# KiCad board bottom-rounded.kicad_pcb
title: Bottom Plate; date: 2024-06-13; rev: 1.2.0; company: Zhou Yikun & Zachary Ang; note: RoboCup Junior Soccer Open 2024
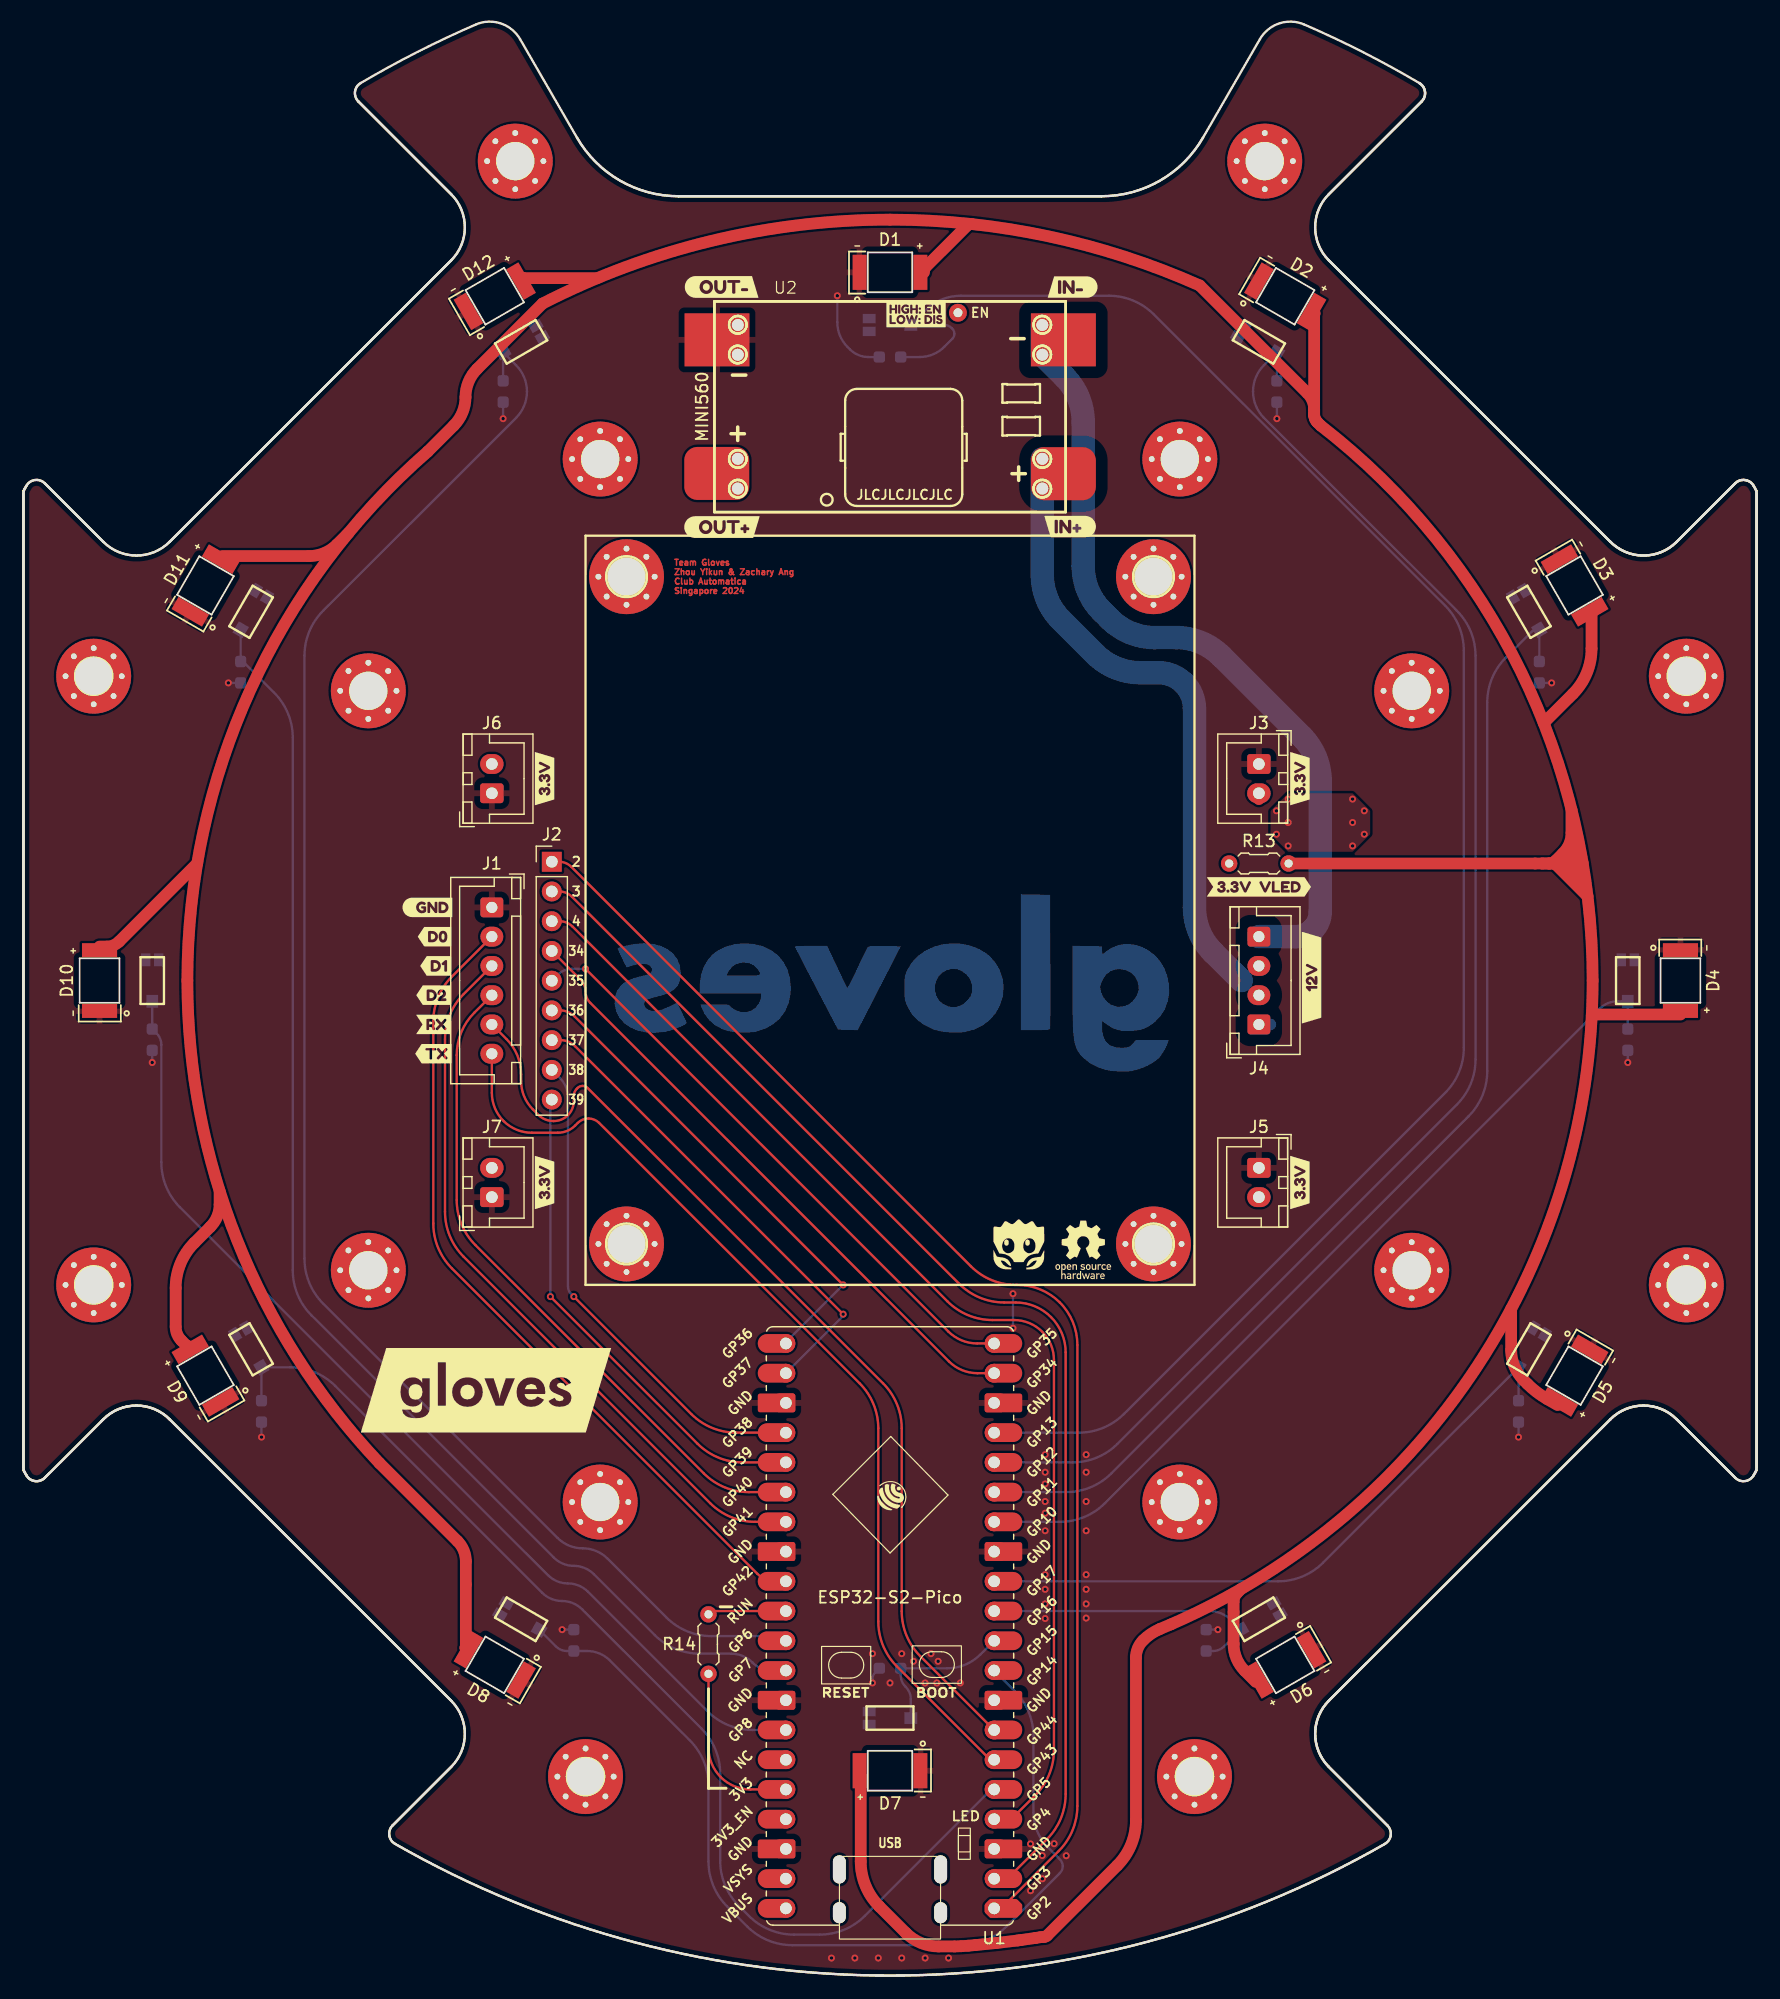
[diagram p0: board, top side]
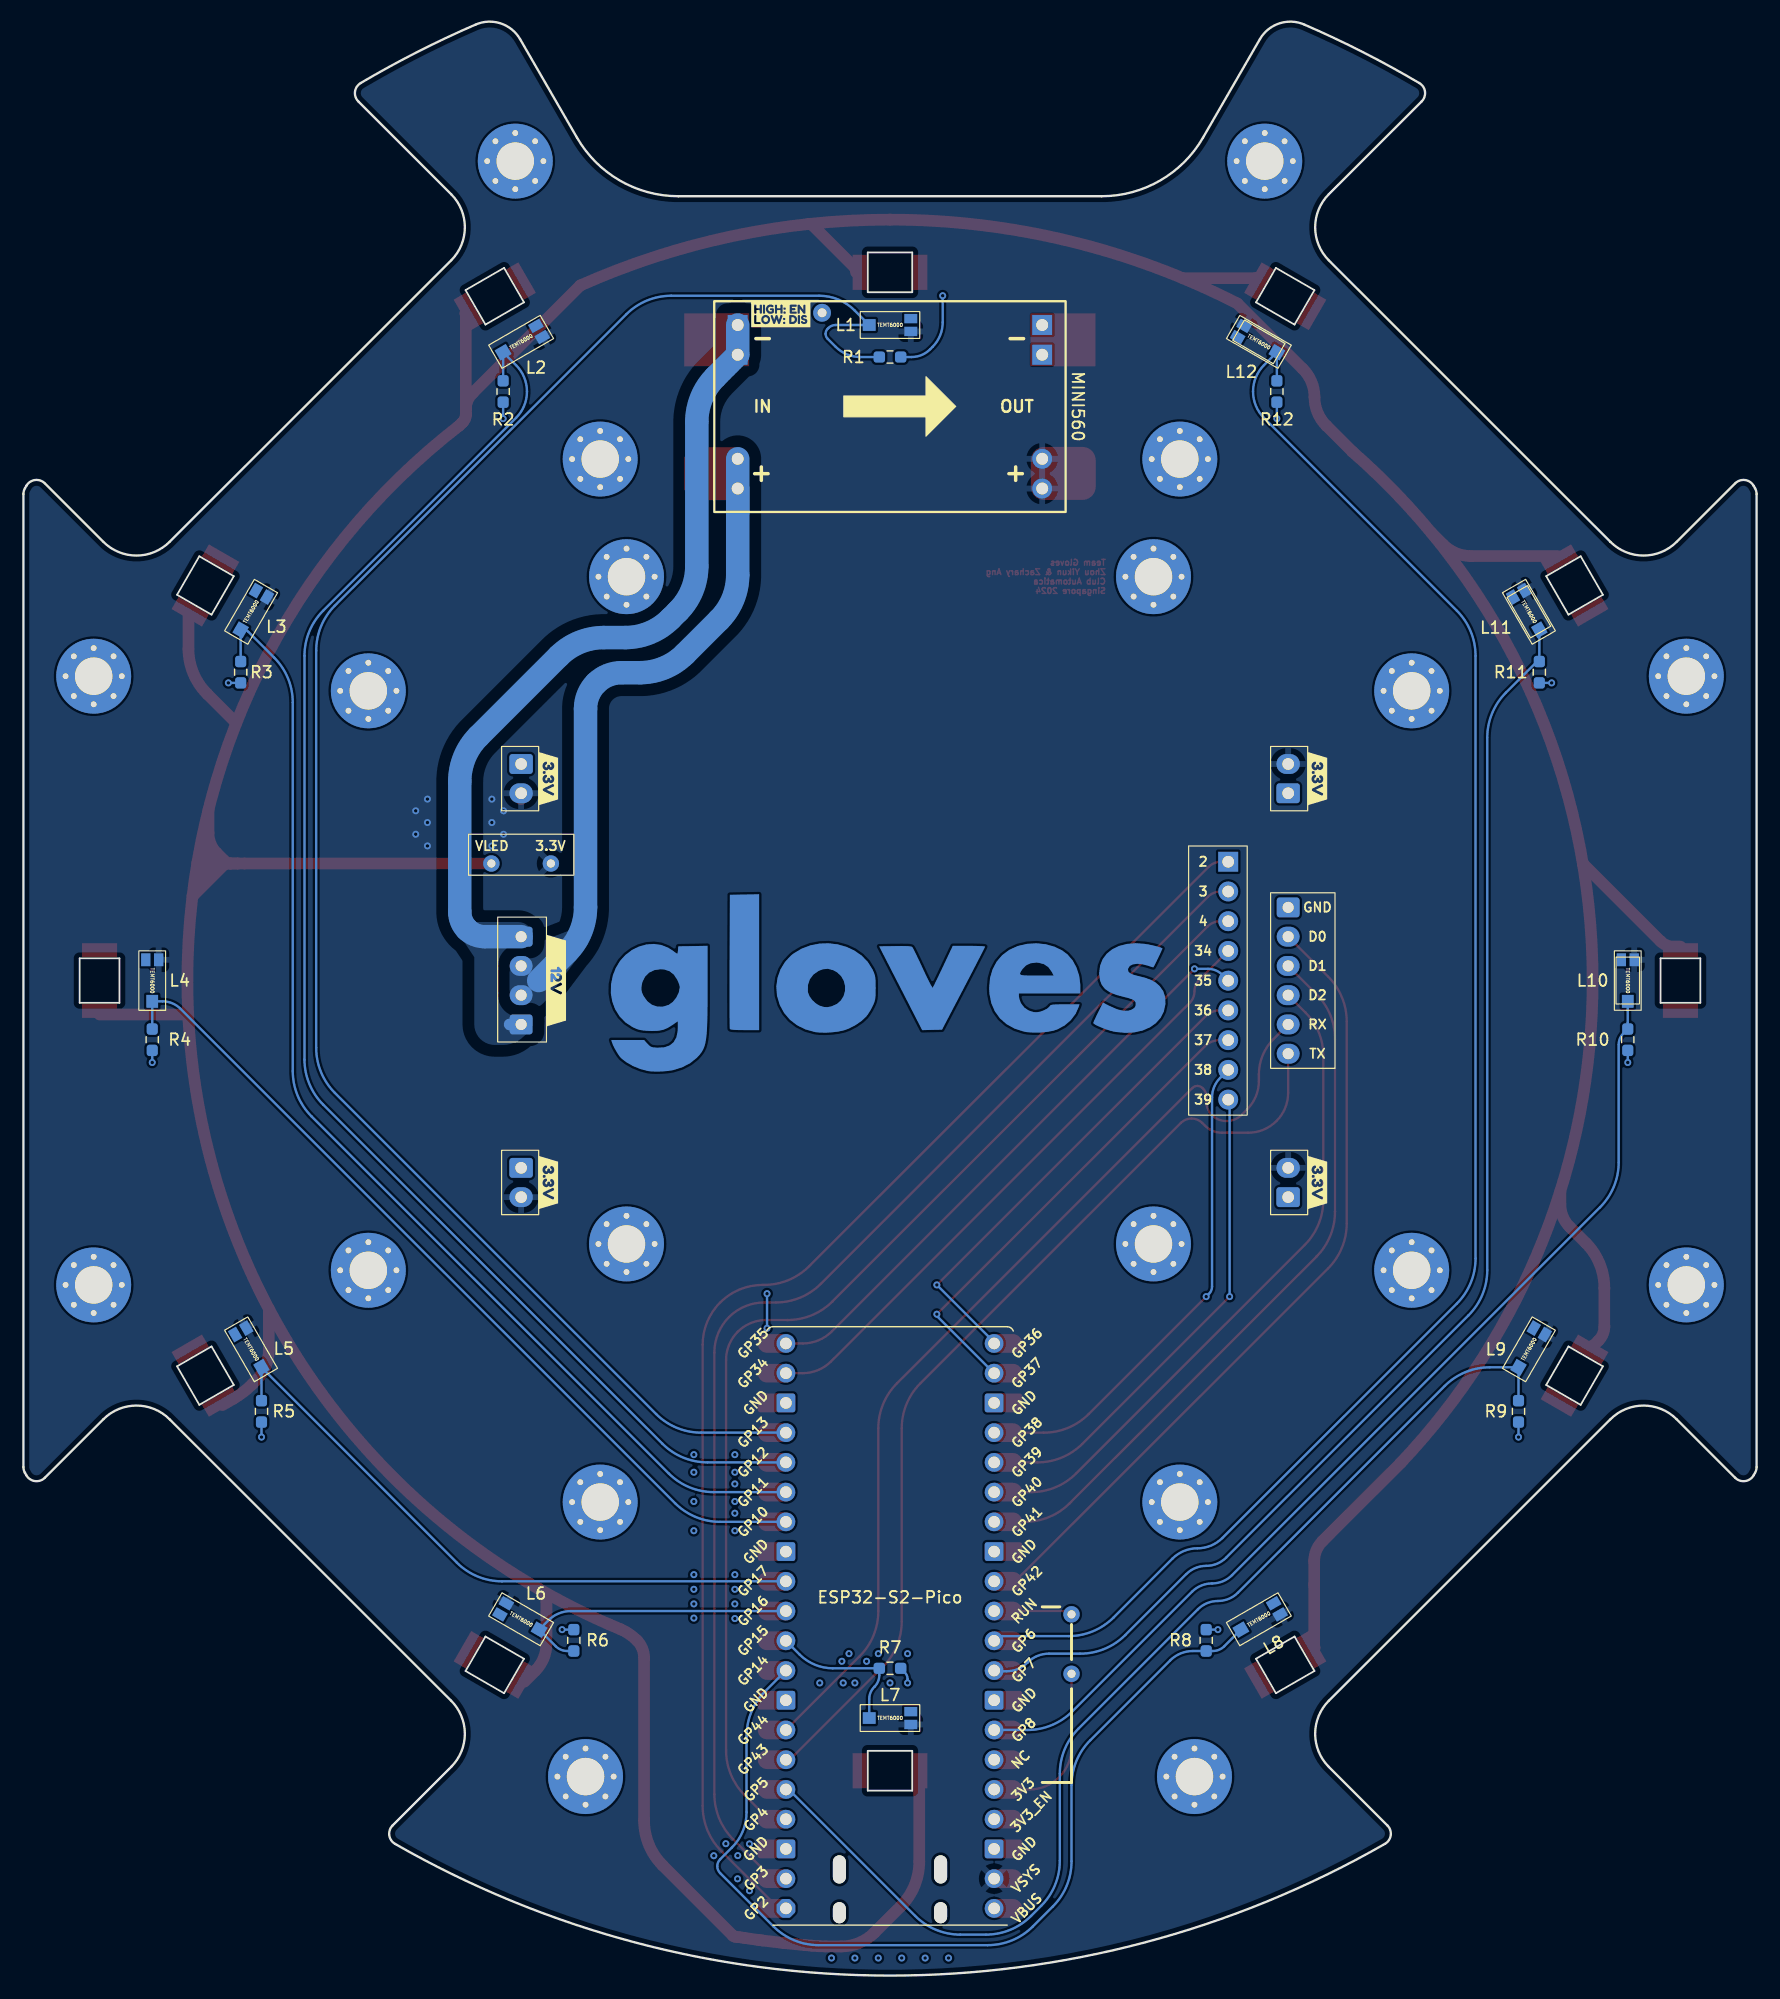
[diagram p1: board, bottom side, seen from below]

Outline 148 x 166.91 mm; copper layers: Top, Bottom. Coordinates in mm from the lower left corner of the outline.
Outline path: 0,126.56 0,43.44 arc(0.03,43.19) 0.13,42.95 0.25,42.73 arc(0.99,42.24) 1.83,42.53 6.82,47.52 arc(9.65,48.69) 12.48,47.52 36.52,23.48 arc(37.69,20.65) 36.52,17.82 31.53,12.83 arc(31.24,11.99) 31.74,11.25 arc(74,0) 116.26,11.25 arc(116.76,11.99) 116.47,12.83 111.48,17.82 arc(110.31,20.65) 111.49,23.49 135.52,47.52 arc(138.35,48.69) 141.18,47.52 146.17,42.53 arc(147.01,42.24) 147.75,42.74 147.87,42.95 arc(147.97,43.19) 148,43.44 148,126.56 arc(147.97,126.81) 147.87,127.05 147.75,127.27 arc(147.01,127.76) 146.17,127.47 141.18,122.48 arc(138.35,121.31) 135.51,122.49 111.48,146.52 arc(110.31,149.35) 111.48,152.18 119.41,160.11 arc(119.69,160.93) 119.2,161.67 arc(114.37,164.32) 109.38,166.67 arc(107.24,166.76) 105.58,165.41 100.73,157 arc(97.07,153.34) 92.07,152 55.93,152 arc(50.93,153.34) 47.27,157 42.42,165.41 arc(40.76,166.76) 38.62,166.67 arc(33.63,164.32) 28.8,161.67 arc(28.31,160.93) 28.6,160.1 36.52,152.18 arc(37.69,149.35) 36.52,146.52 12.48,122.48 arc(9.65,121.31) 6.82,122.48 1.83,127.47 arc(0.99,127.76) 0.25,127.26 0.13,127.05 arc(0.03,126.81) 0,126.56

## Placement (name value [footprint] x y rotation side)
D1  LED  [LED-6028-SMD]  74 145.5 0 top
D2  LED  [LED-6028-SMD]  107.75 143.46 330 top
D3  LED  [LED-6028-SMD]  132.46 118.75 300 top
D4  LED  [LED-6028-SMD]  141.5 85 270 top
D5  LED  [LED-6028-SMD]  132.46 51.25 240 top
D6  LED  [LED-6028-SMD]  107.75 26.54 210 top
D7  LED  [LED-6028-SMD]  74 17.5 180 top
D8  LED  [LED-6028-SMD]  40.25 26.54 150 top
D9  LED  [LED-6028-SMD]  15.54 51.25 120 top
D10  LED  [LED-6028-SMD]  6.5 85 90 top
D11  LED  [LED-6028-SMD]  15.54 118.75 60 top
D12  LED  [LED-6028-SMD]  40.25 143.46 30 top
G***  -  [LOGO]  74 85 180 top
G***#2  -  [LOGO]  85 62.5 0 top
G***#3  -  [LOGO]  90.5 62 0 top
G***#4  -  [LOGO]  74 85 180 bottom
H1  MountingHole-M3  [MountingHole_3.2mm_M3_Pad_Via]  42 155 0 top
H2  MountingHole-M3  [MountingHole_3.2mm_M3_Pad_Via]  106 155 0 top
H3  MountingHole-M3  [MountingHole_3.2mm_M3_Pad_Via]  142 111 0 top
H4  MountingHole-M3  [MountingHole_3.2mm_M3_Pad_Via]  142 59 0 top
H5  MountingHole-M3  [MountingHole_3.2mm_M3_Pad_Via]  100 17 0 top
H6  MountingHole-M3  [MountingHole_3.2mm_M3_Pad_Via]  48 17 0 top
H7  MountingHole-M3  [MountingHole_3.2mm_M3_Pad_Via]  6 111 0 top
H8  MountingHole-M3  [MountingHole_3.2mm_M3_Pad_Via]  6 59 0 top
H9  MountingHole-M3  [MountingHole_3.2mm_M3_Pad_Via]  49.25 129.55 0 top
H10  MountingHole-M3  [MountingHole_3.2mm_M3_Pad_Via]  29.45 109.75 0 top
H11  MountingHole-M3  [MountingHole_3.2mm_M3_Pad_Via]  29.45 60.25 0 top
H12  MountingHole-M3  [MountingHole_3.2mm_M3_Pad_Via]  49.25 40.45 0 top
H13  MountingHole-M3  [MountingHole_3.2mm_M3_Pad_Via]  118.55 109.75 0 top
H14  MountingHole-M3  [MountingHole_3.2mm_M3_Pad_Via]  118.55 60.25 0 top
H15  MountingHole-M3  [MountingHole_3.2mm_M3_Pad_Via]  98.75 40.45 0 top
H16  MountingHole-M3  [MountingHole_3.2mm_M3_Pad_Via]  98.75 129.55 0 top
H17  MountingHole-M3  [MountingHole_3.2mm_M3_Pad_Via]  96.5 62.5 0 top
H18  MountingHole-M3  [MountingHole_3.2mm_M3_Pad_Via]  51.5 62.5 0 top
H19  MountingHole-M3  [MountingHole_3.2mm_M3_Pad_Via]  51.5 119.5 0 top
H20  MountingHole-M3  [MountingHole_3.2mm_M3_Pad_Via]  96.5 119.5 0 top
J1  JST-XH-B6B  [JST_XH_B6B-XH-A_1x06_P2.50mm_Vertical]  40 91.25 270 top
J2  Header-01x09  [PinHeader_1x09_P2.54mm_Vertical]  45.12 95.15 0 top
J3  3.3V-JST-XH-B2B  [JST_XH_B2B-XH-A_1x02_P2.50mm_Vertical]  105.5 103.5 270 top
J4  JST-XH-B4B  [JST_XH_B4B-XH-A_1x04_P2.50mm_Vertical]  105.5 81.25 90 top
J5  3.3V-JST-XH-B2B  [JST_XH_B2B-XH-A_1x02_P2.50mm_Vertical]  105.5 69 270 top
J6  3.3V-JST-XH-B2B  [JST_XH_B2B-XH-A_1x02_P2.50mm_Vertical]  40 101 90 top
J7  3.3V-JST-XH-B2B  [JST_XH_B2B-XH-A_1x02_P2.50mm_Vertical]  40 66.5 90 top
kibuzzard-666B0E6A  G***  [kibuzzard-666B0E6A]  39.5 50 0 top
kibuzzard-6669C5DE  G***  [kibuzzard-6669C5DE]  105.5 93 0 top
kibuzzard-6669C5ED  G***  [kibuzzard-6669C5ED]  44.5 102.25 90 top
kibuzzard-6669C5ED#2  G***  [kibuzzard-6669C5ED]  109 102.25 90 top
kibuzzard-6669C5ED#3  G***  [kibuzzard-6669C5ED]  109 67.75 90 top
kibuzzard-6669C5ED#4  G***  [kibuzzard-6669C5ED]  44.5 67.75 90 top
kibuzzard-6669C6B5  G***  [kibuzzard-6669C6B5]  35.2 86.25 0 top
kibuzzard-6669C6DE  G***  [kibuzzard-6669C6DE]  35 81.25 0 top
kibuzzard-6669C6E8  G***  [kibuzzard-6669C6E8]  35 78.75 0 top
kibuzzard-6669C6EF  G***  [kibuzzard-6669C6EF]  34.5 91.25 0 top
kibuzzard-6669C9E8  G***  [kibuzzard-6669C9E8]  102.5 85 270 bottom
kibuzzard-6669C688  G***  [kibuzzard-6669C688]  110 85.25 90 top
kibuzzard-6669C702  G***  [kibuzzard-6669C702]  35.1 88.75 0 top
kibuzzard-6669C706  G***  [kibuzzard-6669C706]  35 83.75 0 top
kibuzzard-6669C956  G***  [kibuzzard-6669C956]  103.17 67.75 270 bottom
kibuzzard-6669C956#2  G***  [kibuzzard-6669C956]  37.5 102.25 270 bottom
kibuzzard-6669C956#3  G***  [kibuzzard-6669C956]  37.5 67.75 270 bottom
kibuzzard-6669C956#4  G***  [kibuzzard-6669C956]  103.17 102.25 270 bottom
L1  TEMT6000  [TEMT6000-SMD]  74 141 0 bottom
L2  TEMT6000  [TEMT6000-SMD]  105.5 139.56 330 bottom
L3  TEMT6000  [TEMT6000-SMD]  128.56 116.5 300 bottom
L4  TEMT6000  [TEMT6000-SMD]  137 85 270 bottom
L5  TEMT6000  [TEMT6000-SMD]  128.56 53.5 240 bottom
L6  TEMT6000  [TEMT6000-SMD]  105.5 30.44 210 bottom
L7  TEMT6000  [TEMT6000-SMD]  74 22 0 bottom
L8  TEMT6000  [TEMT6000-SMD]  42.5 30.44 330 bottom
L9  TEMT6000  [TEMT6000-SMD]  19.44 53.5 300 bottom
L10  TEMT6000  [TEMT6000-SMD]  11 85 270 bottom
L11  TEMT6000  [TEMT6000-SMD]  19.44 116.5 240 bottom
L12  TEMT6000  [TEMT6000-SMD]  42.5 139.56 210 bottom
R1  10k  [R_0603_1608Metric_Pad0.98x0.95mm_HandSolder]  74 138.26 0 bottom
R2  10k  [R_0603_1608Metric_Pad0.98x0.95mm_HandSolder]  107.04 135.32 90 bottom
R3  10k  [R_0603_1608Metric_Pad0.98x0.95mm_HandSolder]  129.45 111.34 90 bottom
R4  10k  [R_0603_1608Metric_Pad0.98x0.95mm_HandSolder]  137 79.95 90 bottom
R5  10k  [R_0603_1608Metric_Pad0.98x0.95mm_HandSolder]  127.67 48.2 90 bottom
R6  10k  [R_0603_1608Metric_Pad0.98x0.95mm_HandSolder]  101 28.64 270 bottom
R7  10k  [R_0603_1608Metric_Pad0.98x0.95mm_HandSolder]  74 26.25 0 bottom
R8  10k  [R_0603_1608Metric_Pad0.98x0.95mm_HandSolder]  47 28.64 270 bottom
R9  10k  [R_0603_1608Metric_Pad0.98x0.95mm_HandSolder]  20.33 48.2 90 bottom
R10  10k  [R_0603_1608Metric_Pad0.98x0.95mm_HandSolder]  11 79.95 90 bottom
R11  10k  [R_0603_1608Metric_Pad0.98x0.95mm_HandSolder]  18.55 111.34 90 bottom
R12  10k  [R_0603_1608Metric_Pad0.98x0.95mm_HandSolder]  40.96 135.32 90 bottom
R13  R  [R_Axial_DIN0204_L3.6mm_D1.6mm_P5.08mm_Horizontal]  102.96 95 0 top
R14  R  [R_Axial_DIN0204_L3.6mm_D1.6mm_P5.08mm_Horizontal]  58.5 30.86 270 top
U1  ESP-S2-Pico  [ESP32-S2-Pico]  82.89 5.74 180 top
U2  MINI560 3.3V  [MINI560]  61.01 141.03 0 top

## Library data of the parts
D1-D12 = -: ki_fp_filters: LED* LED_SMD:* LED_THT:*
H1-H20 = -: Description: Mounting Hole without connection; ki_fp_filters: MountingHole*
J1 = -: Description: Generic connector, single row, 01x06, script generated; ki_fp_filters: Connector*:*_1x??_*
J2 = -: Description: Generic connector, single row, 01x09, script generated; ki_fp_filters: Connector*:*_1x??_*
J3 J5-J7 = -: ki_fp_filters: Connector*:*_1x??_*
J4 = -: Description: Generic connector, single row, 01x04, script generated; ki_fp_filters: Connector*:*_1x??_*
L1-L12 = -: Description: Photoresistor; ki_fp_filters: *LDR* R?LDR*
R1-R12 = -: Description: Resistor; ki_fp_filters: R_*
R13 R14 = -: ki_fp_filters: R_*

## Footprints (pads in the part's own frame, mm; a bottom-side part is the same pattern mirrored in y, then rotated)
ESP32-S2-Pico
  oval 1.1x1.8 hole 1.1x1.8 unplated: (4.565,0.37) (13.215,0.37)
  oval 1.1x2.4 hole 1.1x2.4 unplated: (4.565,-3.33) (13.215,-3.33)
  custom 3.2x1.6 smd: 1(-1.6,0)
  custom 1.6x1.6 hole 1: 1(0,0)
  oval 3.2x1.6 smd: 2(-1.6,-2.54) 4(-1.6,-7.62) 5(-1.6,-10.16) 6(-1.6,-12.7) 7(-1.6,-15.24) 9(-1.6,-20.32) 10(-1.6,-22.86) 11(-1.6,-25.4) 12(-1.6,-27.94) 14(-1.6,-33.02) 15(-1.6,-35.56) 16(-1.6,-38.1) 17(-1.6,-40.64) 19(-1.6,-45.72) 20(-1.6,-48.26) 21(19.38,-48.26) 22(19.38,-45.72) 24(19.38,-40.64) 25(19.38,-38.1) 26(19.38,-35.56) 27(19.38,-33.02) 29(19.38,-27.94) 30(19.38,-25.4) 31(19.38,-22.86) 32(19.38,-20.32) 34(19.38,-15.24) 35(19.38,-12.7) 36(19.38,-10.16) 37(19.38,-7.62) 39(19.38,-2.54) 40(19.38,0)
  round 1.6 hole 1: 2(0,-2.54) 4(0,-7.62) 5(0,-10.16) 6(0,-12.7) 7(0,-15.24) 9(0,-20.32) 10(0,-22.86) 11(0,-25.4) 12(0,-27.94) 14(0,-33.02) 15(0,-35.56) 16(0,-38.1) 17(0,-40.64) 19(0,-45.72) 20(0,-48.26) 21(17.78,-48.26) 22(17.78,-45.72) 24(17.78,-40.64) 25(17.78,-38.1) 26(17.78,-35.56) 27(17.78,-33.02) 29(17.78,-27.94) 30(17.78,-25.4) 31(17.78,-22.86) 32(17.78,-20.32) 34(17.78,-15.24) 35(17.78,-12.7) 36(17.78,-10.16) 37(17.78,-7.62) 39(17.78,-2.54) 40(17.78,0)
  rrect 3.2x1.6 smd: 3(-1.6,-5.08) 8(-1.6,-17.78) 13(-1.6,-30.48) 18(-1.6,-43.18) 23(19.38,-43.18) 28(19.38,-30.48) 33(19.38,-17.78) 38(19.38,-5.08)
  rrect 1.6x1.6 hole 1: 3(0,-5.08) 8(0,-17.78) 13(0,-30.48) 18(0,-43.18) 23(17.78,-43.18) 28(17.78,-30.48) 33(17.78,-17.78) 38(17.78,-5.08)
JST_XH_B2B-XH-A_1x02_P2.50mm_Vertical
  rrect 1.7x2 hole 1: 1(0,0)
  oval 1.7x2 hole 1: 2(2.5,0)
JST_XH_B4B-XH-A_1x04_P2.50mm_Vertical
  rrect 1.7x1.95 hole 0.95: 1(0,0) 4(7.5,0)
  oval 1.7x1.95 hole 0.95: 2(2.5,0) 3(5,0)
JST_XH_B6B-XH-A_1x06_P2.50mm_Vertical
  rrect 1.7x1.95 hole 0.95: 1(0,0)
  oval 1.7x1.95 hole 0.95: 2(2.5,0) 3(5,0) 4(7.5,0) 5(10,0) 6(12.5,0)
LED-6028-SMD
  rect 1.19x3 smd: 1(-2.595,0) 2(2.595,0)
MINI560
  rect 5.544x4.528 smd: 1(-1.778,-1.3) 4(27.8,-1.3)
  rect 1.7x1.7 hole 1.02: 1(0,-0.03) 1(0,-2.57) 4(26,-0.03) 4(26,-2.57)
  rrect 5.544x4.528 smd: 2(-1.8,-12.708) 3(27.8,-12.73)
  round 1.7 hole 1.02: 2(0,-11.46) 2(0,-14) 3(26,-11.46) 3(26,-14)
  round 1.524 hole 0.762: 5(18.796,1.016)
MountingHole_3.2mm_M3_Pad_Via
  round 0.8 hole 0.5: 1(-2.4,0) 1(-1.697,1.697) 1(-1.697,-1.697) 1(0,2.4) 1(0,-2.4) 1(1.697,1.697) 1(1.697,-1.697) 1(2.4,0)
  round 6.4 hole 3.2: 1(0,0)
PinHeader_1x09_P2.54mm_Vertical
  rect 1.7x1.7 hole 1: 1(0,0)
  oval 1.7x1.7 hole 1: 2(0,-2.54) 3(0,-5.08) 4(0,-7.62) 5(0,-10.16) 6(0,-12.7) 7(0,-15.24) 8(0,-17.78) 9(0,-20.32)
R_0603_1608Metric_Pad0.98x0.95mm_HandSolder
  rrect 0.975x0.95 smd: 1(-0.912,0) 2(0.912,0)
R_Axial_DIN0204_L3.6mm_D1.6mm_P5.08mm_Horizontal
  round 1.4 hole 0.7: 1(0,0)
  oval 1.4x1.4 hole 0.7: 2(5.08,0)
TEMT6000-SMD
  rect 1.1x0.8 smd: (-1.775,-0.55) 1(-1.775,0.55)
  rect 1.1x1 smd: 2(1.775,0)

## Nets
+3.3V: J3.2 J5.2 J6.2 J7.2 L1.1 L2.1 L3.1 L4.1 L5.1 L6.1 L7.1 L8.1 L9.1 L10.1 L11.1 L12.1 R13.1 U1.39 U2.2
+12V: J4.2 J4.3 U2.3
GND: D1.1 D2.1 D3.1 D4.1 D5.1 D6.1 D7.1 D8.1 D9.1 D10.1 D11.1 D12.1 J1.1 J3.1 J5.1 J6.1 J7.1 R1.1 R2.1 R3.1 R4.1 R5.1 R6.1 R7.1 R8.1 R9.1 R10.1 R11.1 R12.1 U1.3 U1.8 U1.13 U1.18 U1.23 U1.28 U1.33 U1.38 U2.1
GND1: J4.1 J4.4 U2.4
Bottom-D0: J1.2 U1.29
Bottom-D1: J1.3 U1.27
Bottom-D2: J1.4 U1.26
Bottom-RX0-Top-TX: J1.5 U1.7
Bottom-TX0-Top-RX: J1.6 U1.6
GPIO2: J2.1 U1.1
GPIO3: J2.2 U1.2
GPIO4: J2.3 U1.4
GPIO34: J2.4 U1.19
GPIO35: J2.5 U1.20
GPIO36: J2.6 U1.21
GPIO37: J2.7 U1.22
GPIO38: J2.8 U1.24
GPIO39: J2.9 U1.25
TEMT1: L1.2 R1.2 U1.17
TEMT2: L2.2 R2.2 U1.16
TEMT3: L3.2 R3.2 U1.15
TEMT4: L4.2 R4.2 U1.14
TEMT5: L5.2 R5.2 U1.12
TEMT6: L6.2 R6.2 U1.11
TEMT7: L7.2 R7.2 U1.10
TEMT8: L8.2 R8.2 U1.9
TEMT9: L9.2 R9.2 U1.5
TEMT10: L10.2 R10.2 U1.34
TEMT11: L11.2 R11.2 U1.32
TEMT12: L12.2 R12.2 U1.31
Net-(D1-A): D1.2 D2.2 D3.2 D4.2 D5.2 D6.2 D7.2 D8.2 D9.2 D10.2 D11.2 D12.2 R13.2
Net-(U1-3V3): R14.2 U1.36
Net-(U1-RUN): R14.1 U1.30

Pads without a net: H1 1; H2 1; H3 1; H4 1; H5 1; H6 1; H7 1; H8 1; H9 1; H10 1; H11 1; H12 1; H13 1; H14 1; H15 1; H16 1; H17 1; H18 1; H19 1; H20 1; U1 35 37 40; U2 5

## Via types
v1: diameter 0.6, hole 0.3, Top to Bottom, 68 vias

## Routing (per net, layer and track width the routed paths; a pad name or vN(x,y) marks a point on that pad's centre or on a via; arc(x,y) is an arc through that point)
+3.3V: length 0.5
  Top w1: 105.5,100.5 J3.2
  vias: v1(107,99.5) v1(107,97.5) v1(108,100.5) v1(108,98.5) v1(108,96.5) v1(113.5,100.5) v1(113.5,98.5) v1(113.5,96.5) v1(114.5,99.5) v1(114.5,97.5)
+12V: length 55.7
  Bottom w2: 87.01,125 U2.3 ; 104,85 101.59,87.41 arc(100.41,89.17) 100,91.25 100,108.23 arc(99.77,109.4) 99.1,110.4 arc(98.1,111.07) 96.93,111.3 95.36,111.3 arc(93.28,111.71) 91.51,112.89 88.6,115.8 arc(87.42,117.57) 87.01,119.65 U2.3
GND: length 23.6
  Bottom w0.2: R1.1 72.16,138.26 arc(71.31,138.43) 70.58,138.92 70.37,139.13 arc(69.73,140.09) 69.5,141.23 v1(69.5,143.5) ; v1(40.96,133) R12.1 ; v1(84.5,55.3) 84.5,55.3 arc(84.5,55.3) 84.5,55.31 v1(84.5,58.25) ; v1(20.33,46) R9.1 ; v1(72.5,25) 72.5,25.33 arc(72.56,25.64) 72.73,25.9 R7.1 ; v1(11,78) R10.1 ; v1(137,78) R4.1 ; v1(17.5,110.43) R11.1 ; v1(130.5,110.43) R3.1 ; v1(102,29.55) R6.1 ; v1(127.67,46) R5.1 ; v1(107.04,133) R2.1 ; v1(46,29.55) R8.1
  vias: v1(69,1.5) v1(71,1.5) v1(72.5,27.5) v1(73,1.5) v1(74,25) v1(75,27.5) v1(75,1.5) v1(76,26.85) v1(77,25) v1(77,1.5) v1(77.5,27.5) v1(78,25) v1(78.11,26.85) v1(79,1.5) v1(80,25) v1(86,11.25) v1(86,7.25) v1(87,10.25) v1(87.02,8.27) v1(87.25,44.5) v1(87.25,43) v1(87.25,42) v1(87.25,40.5) v1(87.25,39.5) v1(87.25,38) v1(87.25,34.25) v1(87.25,33) v1(87.25,31.75) v1(87.25,30.5) v1(88.02,11.27) v1(89.05,10.24) v1(90.75,44.5) v1(90.75,43) v1(90.75,40.5) v1(90.75,38) v1(90.75,34.25) v1(90.75,33) v1(90.75,31.75) v1(90.75,30.54)
GND1: length 69.9
  Bottom w1: J4.1 106.48,81.25
  Bottom w2: J4.4 108.62,88.75 arc(109.43,88.91) 110.12,89.37 arc(110.58,90.06) 110.74,90.87 110.74,102.01 arc(110.33,104.09) 109.15,105.85 102.29,112.71 arc(100.53,113.89) 98.45,114.3 96.6,114.3 arc(94.52,114.71) 92.75,115.89 92.09,116.55 arc(90.91,118.32) 90.5,120.4 90.5,132.71 arc(90.09,134.79) 88.91,136.56 U2.4 U2.4
Bottom-D0: length 70.1
  Top w0.2: J1.2 36.59,85.34 arc(35.41,83.58) 35,81.5 35,64.25 arc(35.41,62.17) 36.59,60.41 62.69,34.31 arc(63.39,33.84) 64.22,33.68 U1.29
Bottom-D1: length 63.4
  Top w0.2: U1.27 62.49,38.76 arc(60.41,39.17) 58.65,40.35 37.59,61.41 arc(36.41,63.17) 36,65.25 36,80 arc(36.41,82.08) 37.59,83.84 J1.3
Bottom-D2: length 57.8
  Top w0.2: U1.26 61.95,41.3 arc(59.87,41.71) 58.11,42.89 38.59,62.41 arc(37.41,64.17) 37,66.25 37,78.63 arc(37.39,80.59) 38.5,82.25 J1.4
Bottom-RX0-Top-TX: length 84.1
  Top w0.2: J1.5 41.25,80 arc(42.18,78.62) 42.5,76.98 42.5,76.41 arc(42.76,75.11) 43.5,74 43.97,73.53 arc(44.56,73.14) 45.25,73 45.29,73 arc(45.95,73.13) 46.5,73.5 arc(46.87,74.05) 47,74.71 47,75.15 arc(47.06,75.47) 47.25,75.75 47.32,75.82 arc(47.52,75.95) 47.75,76 arc(47.98,75.95) 48.18,75.82 73.41,50.59 arc(74.59,48.83) 75,46.75 75,31.12 arc(75.41,29.04) 76.59,27.28 U1.7
Bottom-TX0-Top-RX: length 83
  Top w0.2: J1.6 40,75.41 arc(40.26,74.11) 41,73 arc(42.11,72.26) 43.41,72 45.64,72 arc(46.43,72.16) 47.11,72.61 47.34,72.84 arc(47.76,73.12) 48.25,73.22 arc(48.74,73.12) 49.16,72.84 71.41,50.59 arc(72.59,48.83) 73,46.75 73,30.25 arc(73.41,28.17) 74.59,26.41 82.44,18.56 arc(82.57,18.47) 82.73,18.44 U1.6
GPIO2: length 113.7
  Top w0.2: J2.1 45.74,95.15 arc(46.3,95.04) 46.78,94.72 80.91,60.59 arc(82.67,59.41) 84.75,59 84.88,59 arc(86.84,58.61) 88.5,57.5 arc(89.61,55.84) 90,53.88 90,14.49 arc(89.59,12.41) 88.41,10.64 83.72,5.96 arc(83.48,5.8) 83.2,5.74 U1.1
GPIO3: length 108.4
  Top w0.2: U1.2 83.46,8.28 arc(83.99,8.38) 84.43,8.68 87.41,11.66 arc(88.59,13.42) 89,15.5 89,53.23 arc(88.68,54.87) 87.75,56.25 arc(86.37,57.18) 84.73,57.5 83.75,57.5 arc(81.67,57.91) 79.91,59.09 46.84,92.16 arc(46.34,92.49) 45.76,92.61 J2.2
GPIO4: length 100.5
  Top w0.2: U1.4 83.63,13.36 arc(84.3,13.5) 84.88,13.88 86.41,15.41 arc(87.59,17.17) 88,19.25 88,52.59 arc(87.74,53.89) 87,55 arc(85.89,55.74) 84.59,56 82.75,56 arc(80.67,56.41) 78.91,57.59 46.89,89.61 arc(46.38,89.95) 45.78,90.07 J2.3
GPIO34: length 53.1
  Top w0.2: U1.19 81.47,51.46 arc(80.15,51.72) 79.03,52.47 48.41,83.09 arc(48.11,83.54) 48,84.08 arc(47.89,84.61) 47.59,85.06 J2.4
GPIO35: length 51.9
  Top w0.2: U1.20 81.45,54 arc(80.11,54.27) 78.98,55.02 v1(48,86) ; J2.5 44.46,84.99
  Bottom w0.2: v1(48,86) 46.84,86 arc(46.18,85.87) 45.63,85.5 J2.5
GPIO36: length 41.5
  Top w0.2: J2.6 45.84,82.45 arc(46.5,82.32) 47.06,81.94 v1(70,59)
  Bottom w0.2: U1.21 65.11,54.06 arc(65.12,54.11) 65.15,54.15 v1(70,59)
GPIO37: length 41.6
  Top w0.2: v1(70,56.5) 47.11,79.39 arc(46.53,79.77) 45.86,79.91 J2.7
  Bottom w0.2: U1.22 69.95,56.3 arc(69.99,56.36) 70,56.43 v1(70,56.5)
GPIO38: length 42.7
  Top w0.2: U1.24 60.87,46.38 arc(58.79,46.79) 57.03,47.97 v1(47,58)
  Bottom w0.2: J2.8 45.81,76.68 arc(46.32,75.92) 46.5,75.01 46.5,58.85 arc(46.56,58.53) 46.75,58.25 v1(47,58)
GPIO39: length 42.6
  Top w0.2: v1(45,58) 57.57,45.43 arc(59.33,44.25) 61.41,43.84 U1.25
  Bottom w0.2: J2.9 45.06,74.77 arc(45.02,74.7) 45,74.63 v1(45,58)
TEMT1: length 159.5
  Bottom w0.2: U1.17 90.13,46.38 arc(92.21,46.79) 93.97,47.97 121.41,75.41 arc(122.59,77.17) 123,79.25 123,113.18 arc(122.59,115.26) 121.41,117.03 96.53,141.91 arc(94.76,143.09) 92.68,143.5 80.04,143.5 arc(78.41,143.18) 77.03,142.25 L1.2 78.65,141 arc(78.97,140.94) 79.25,140.75 79.32,140.68 arc(79.45,140.48) 79.5,140.25 arc(79.45,140.02) 79.32,139.82 78.63,139.13 arc(77.67,138.49) 76.54,138.26 R1.2
TEMT2: length 127.3
  Bottom w0.2: U1.16 89.59,43.84 arc(91.67,44.25) 93.43,45.43 122.41,74.41 arc(123.59,76.17) 124,78.25 124,112.75 arc(123.59,114.83) 122.41,116.59 105.93,133.07 arc(105.24,134.1) 105,135.32 arc(105.24,136.54) 105.93,137.57 L2.2 R2.2
TEMT3: length 100
  Bottom w0.2: R3.2 129.45,114.72 arc(129.38,114.89) 129.21,114.96 arc(128.98,114.92) 128.79,114.79 126.59,112.59 arc(125.41,110.83) 125,108.75 125,77.25 arc(124.59,75.17) 123.41,73.41 92.89,42.89 arc(91.13,41.71) 89.05,41.3 U1.15
TEMT4: length 74.6
  Bottom w0.2: R4.2 L4.2 136.11,83.23 arc(135.29,83.06) 134.6,82.6 92.35,40.35 arc(90.59,39.17) 88.51,38.76 U1.14
TEMT5: length 55
  Bottom w0.2: U1.12 107.14,33.68 arc(109.22,34.09) 110.98,35.27 L5.2 R5.2
TEMT6: length 25.3
  Bottom w0.2: U1.11 101.25,31.14 arc(102.29,30.93) 103.17,30.35 L6.2 102.54,28.13 arc(102.09,27.83) 101.57,27.73 R6.2
TEMT7: length 13.3
  Bottom w0.2: L7.2 75.78,23.62 arc(75.66,24.18) 75.34,24.66 75.32,24.68 arc(75.02,25.13) 74.91,25.67 R7.2 78.88,26.25 arc(80.41,26.56) 81.72,27.43 U1.10
TEMT8: length 82.9
  Bottom w0.2: L8.2 45.46,28.13 arc(45.91,27.83) 46.43,27.73 R8.2 48.14,27.73 arc(49.19,27.52) 50.08,26.92 56.91,20.09 arc(58.09,18.33) 58.5,16.25 58.5,9.75 arc(58.91,7.67) 60.09,5.91 61.81,4.19 arc(63.57,3.01) 65.65,2.6 80.1,2.6 arc(82.18,3.01) 83.94,4.19 88.51,8.76 arc(88.69,9.03) 88.75,9.34 arc(88.69,9.66) 88.51,9.93 87.5,10.94 arc(86.57,12.32) 86.25,13.96 86.25,20.45 arc(85.84,22.53) 84.66,24.29 U1.9
TEMT9: length 96.2
  Bottom w0.2: R9.2 20.33,49.11 arc(20.33,49.11) 20.33,49.11 L9.2 22.78,51.96 arc(24.87,51.55) 26.63,50.37 44.29,32.71 arc(45.08,32.18) 46,32 arc(46.92,31.82) 47.71,31.29 57.91,21.09 arc(59.09,19.33) 59.5,17.25 59.5,9.8 arc(59.91,7.72) 61.09,5.96 61.96,5.09 arc(63.72,3.91) 65.8,3.5 68,3.5 arc(70.08,3.91) 71.84,5.09 82.57,15.82 arc(82.66,15.88) 82.77,15.9 U1.5
TEMT10: length 88
  Bottom w0.2: L10.2 11,81.41 arc(11.1,80.9) 11.39,80.47 arc(11.67,80.04) 11.78,79.54 11.78,69.48 arc(12.19,67.4) 13.37,65.63 44.79,34.21 arc(45.58,33.68) 46.5,33.5 arc(47.42,33.32) 48.21,32.79 58.43,22.57 arc(60.19,21.39) 62.27,20.98 U1.34
TEMT11: length 113.1
  Bottom w0.2: L11.2 18.55,112.35 arc(18.58,112.28) 18.65,112.25 arc(18.74,112.23) 18.82,112.18 21.41,109.59 arc(22.59,107.83) 23,105.75 23,60.25 arc(23.41,58.17) 24.59,56.41 45.29,35.71 arc(46.08,35.18) 47,35 arc(47.92,34.82) 48.71,34.29 53.91,29.09 arc(55.67,27.91) 57.75,27.5 60.44,27.5 arc(61.42,27.31) 62.25,26.75 62.28,26.72 arc(63.08,26.19) 64.03,26 65.01,26 arc(65.05,26.01) 65.08,26.03 U1.32
TEMT12: length 143.3
  Bottom w0.2: U1.31 64.91,28.8 arc(64.69,28.95) 64.43,29 58.75,29 arc(56.67,29.41) 54.91,30.59 49.88,35.62 arc(48.9,36.27) 47.75,36.5 arc(46.6,36.73) 45.62,37.38 25.59,57.41 arc(24.41,59.17) 24,61.25 24,112.75 arc(24.41,114.83) 25.59,116.59 42.07,133.07 arc(42.76,134.1) 43,135.32 arc(42.76,136.54) 42.07,137.57 L12.2 R12.2
Net-(D1-A): length 520.3
  Top w1: 76.9,145.5 76.9,145.65 arc(76.93,145.79) 77.01,145.91 80.62,149.52 arc(80.73,149.6) 80.86,149.62 81,149.62 ; 27.76,123.24 26.77,122.25 arc(25.68,121.52) 24.39,121.26 16.99,121.26 ; 141.5,82.1 134.1,82.1 arc(134.03,82.09) 133.97,82.05 133.92,82 ; 133.91,116.24 133.91,113.34 arc(133.49,111.26) 132.31,109.49 129.82,107 ; 49,145 42.76,145 arc(42.74,145) 42.73,144.99 arc(42.73,144.98) 42.73,144.96 42.76,144.91 ; 129.7,95 R13.2 ; 129.7,95 130.3,95 ; 129.7,95 130.3,95 ; 110.22,133.35 110.22,133.78 arc(110.07,134.54) 109.64,135.18 100.45,144.38 arc(87.52,148.58) 74,150 arc(58.74,148.18) 44.33,142.83 38.75,137.26 arc(38.01,136.15) 37.75,134.83 arc(37.49,133.52) 36.75,132.41 34.52,130.19 arc(19.37,109.81) 14,85 arc(18.25,62.82) 30.41,43.77 37.07,37.11 arc(37.6,36.32) 37.78,35.4 37.78,28.1 arc(37.77,28.07) 37.76,28.03 37.74,27.99 ; 110.22,133.35 110.22,141.9 arc(110.23,141.93) 110.24,141.97 110.26,142.01 ; 110.22,133.35 arc(110.29,132.99) 110.5,132.69 ; 110.22,133.35 arc(110.29,132.99) 110.5,132.69 ; 14.84,95 8.18,88.34 arc(7.69,88.01) 7.12,87.9 6.5,87.9 ; 130.3,95 133.16,95 ; 130.3,95 130.68,95 ; 14.09,53.76 14.04,53.76 arc(13.99,53.77) 13.94,53.8 13.49,54.25 arc(13.13,54.8) 13,55.44 13,58.75 arc(13.41,60.83) 14.59,62.59 15.96,63.96 arc(16.55,64.84) 16.75,65.88 16.75,67 ; 127.04,56.96 127.04,53.44 arc(127.32,52.04) 128.11,50.86 128.43,50.54 arc(129.22,49.85) 130.09,49.27 131.01,48.74 ; 103.98,33.02 103.66,32.71 arc(103.42,32.35) 103.34,31.94 103.34,28.34 arc(103.59,27.1) 104.29,26.04 105.24,25.09 ; 71.5,17.1 71.5,9.75 arc(71.91,7.67) 73.09,5.91 75.35,3.65 arc(76.64,2.79) 78.15,2.49 79.5,2.49 arc(79.79,2.49) 80.08,2.51 arc(80.37,2.53) 80.66,2.55 81.28,2.61 arc(82.18,2.69) 83.09,2.78 arc(83.99,2.89) 84.9,3 85.19,3.04 arc(85.8,3.12) 86.41,3.21 86.88,3.28 arc(87.02,3.3) 87.16,3.31 arc(87.29,3.33) 87.41,3.41 93.41,9.41 arc(94.59,11.17) 95,13.25 95,27.15 arc(95.16,27.96) 95.62,28.64 arc(96.29,29.19) 97.04,29.6 98,30.01 ; 110.5,132.69 110.77,132.41 arc(127.88,111.4) 134,85 arc(124.2,52.14) 98,30.01 ; 132.2,99.6 132.2,97.61 arc(132.01,96.67) 131.48,95.88 130.83,95.23 arc(130.78,95.16) 130.77,95.08 ; 130.83,94.94 133.57,92.2 ; 130.83,94.94 arc(130.76,94.98) 130.68,95 ; 130.83,94.94 arc(130.78,95.01) 130.77,95.08 ; 130.68,95 arc(130.74,95.02) 130.77,95.08
Net-(U1-3V3): length 15
  Top w0.2: R14.2 58.5,19.48 arc(58.77,18.11) 59.55,16.95 arc(60.71,16.17) 62.08,15.9 U1.36
Net-(U1-RUN): length 6.7
  Top w0.2: R14.1 58.64,31 arc(58.8,31.1) 58.98,31.14 U1.30

## Copper pours and planes (outline as drawn; the poured copper is in the pictures)
+3.3V on Top: 108,101 106.5,99.5 106.5,97.5 108,96 113.5,96 115,97.5 115,99.5 113.5,101
+3.3V on Bottom: -6,170 154,170 154,40 104,-10 -6,-10
+12V on Bottom: 99.5,90 106,87.5 106.5,87 106.5,83 106,82.5 104,82.5 99.5,88.5
GND on Top: -6,170 154,170 154,40 104,-10 -6,-10
GND1 on Bottom: 104.5,81 104.5,82 107.5,84 107.5,85.94 106.08,87.5 104.5,87.5 104.5,90 111.5,90 109.5,87 109.5,79.5 106,79.5
Net-(D1-A) on Top (solid shape): 131,95.2 132.8,97.8 133.4,92.6

## Text on the board
B.Silkscreen: 2 | 3 | 4 | 34 | 35 | 36 | 37 | 38 | 39 | GND | D0 | D1 | D2 | RX | TX | 3.3V | VLED
Top: Team Gloves / Zhou Yikun & Zachary Ang / Club Automatica / Singapore 2024
F.Silkscreen: 34 | 35 | 36 | 37 | 38 | 39 | 2 | 3 | 4 | JLCJLCJLCJLC
